# Altium PCB PCB3.PcbDoc (part 3 of 9)
Units mm, origin at the board's own origin, x right, y up, seen from the top; angles counter-clockwise.
Board outline 233.8 x 110.5 mm, 4 copper layers (Top Layer, Layer 1, Layer 2, Bottom Layer), stack 0.603 mm thick; 1414 components, 1732 nets, 4924 pads, 691 vias.
Unrouted connection lines stored in the file: 2464.
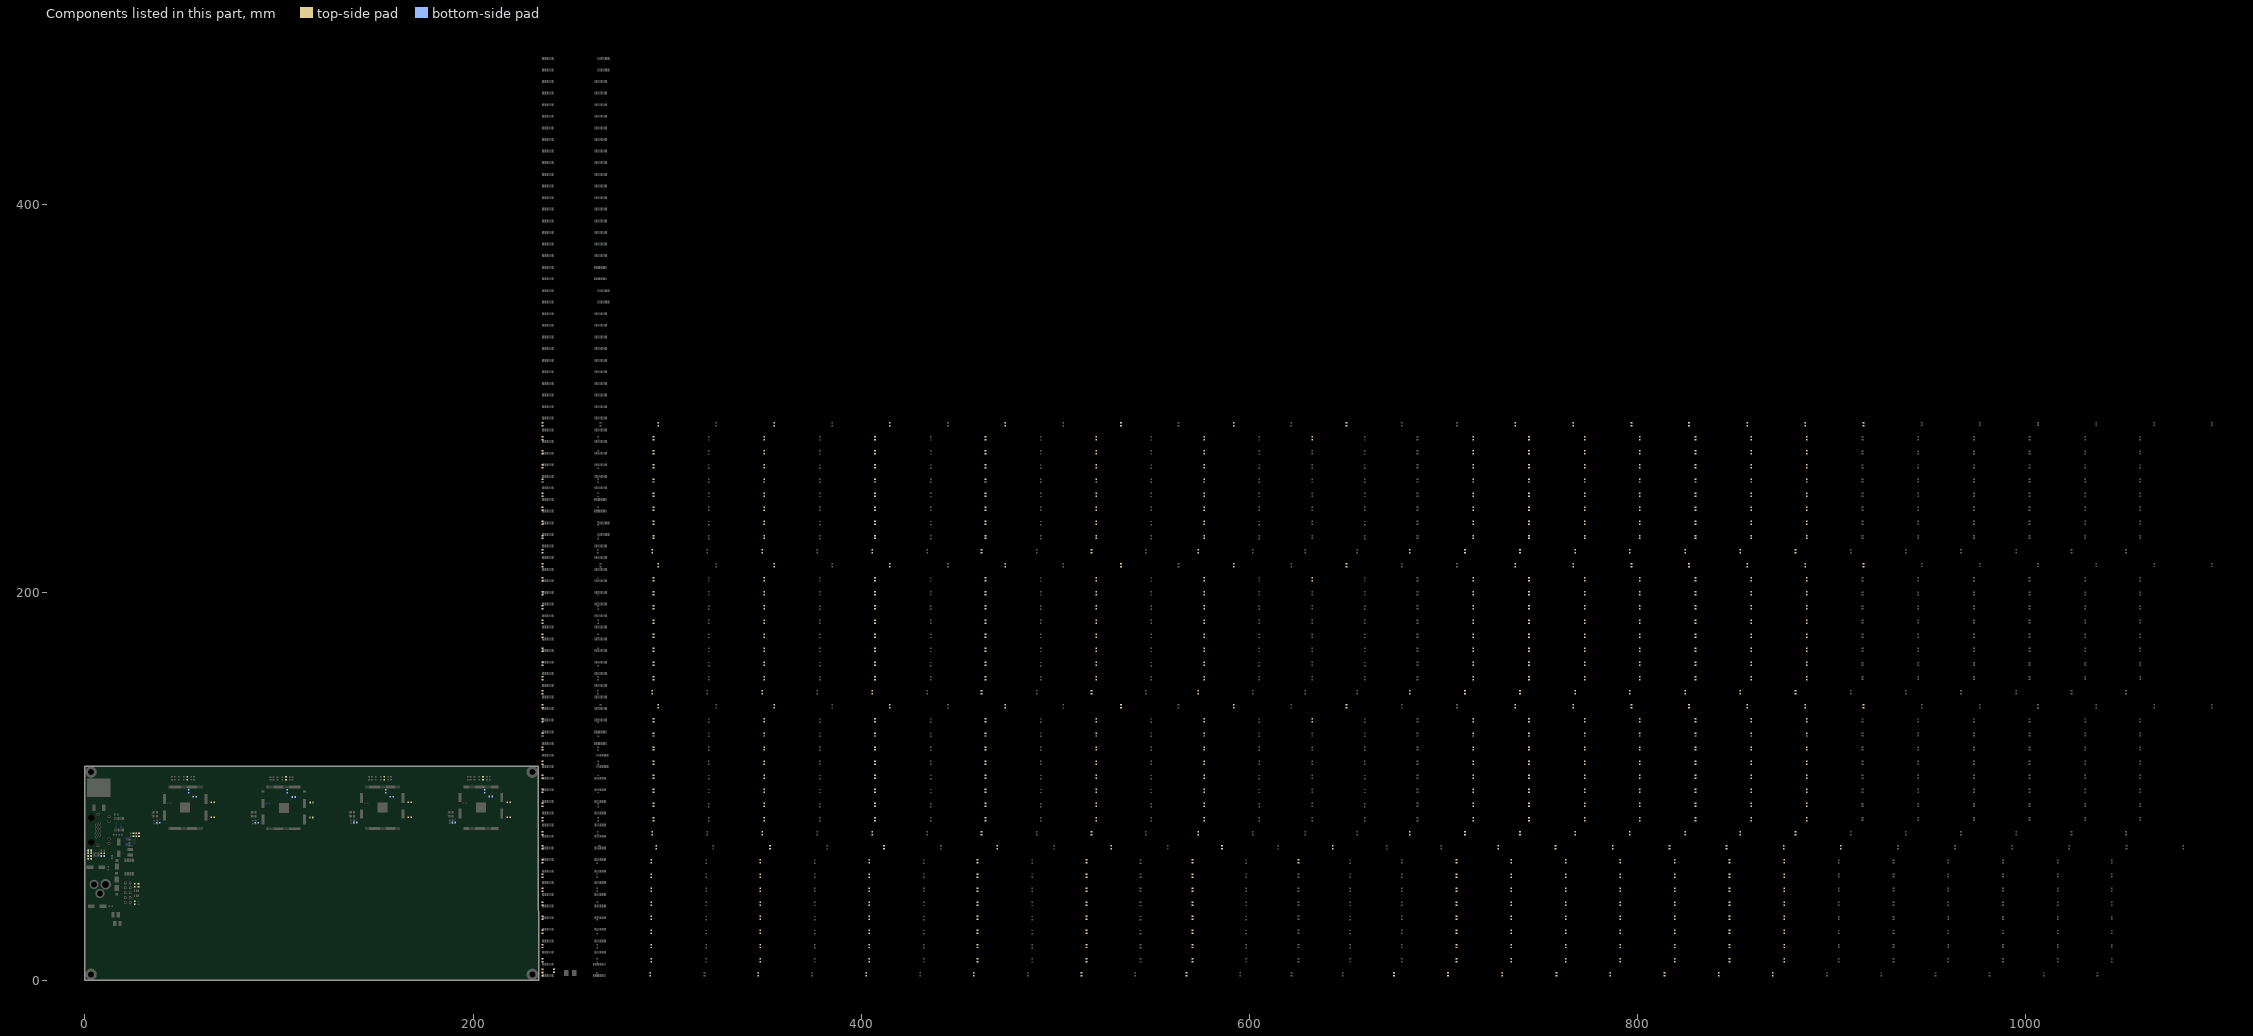
[diagram p5: the components of this part, seen from the top]

## Components (designator, comment, footprint, x,y, rotation, side; value= is the part's Value field where it differs from the comment) (continued)
R9_U_LED_BUFFER91 "330R" 0603R 625.398,61.35 r90 top (schematic designator R9)
R9_U_LED_BUFFER92 "330R" 0603R 632.498,134.049 r90 top (schematic designator R9)
R9_U_LED_BUFFER93 "330R" 0603R 632.498,206.749 r90 top (schematic designator R9)
R9_U_LED_BUFFER94 "330R" 0603R 632.498,279.449 r90 top (schematic designator R9)
R9_U_LED_BUFFER101 "330R" 0603R 643.098,68.65 r90 top (schematic designator R9)
R9_U_LED_BUFFER102 "330R" 0603R 650.198,141.349 r90 top (schematic designator R9)
R9_U_LED_BUFFER103 "330R" 0603R 650.198,214.049 r90 top (schematic designator R9)
R9_U_LED_BUFFER104 "330R" 0603R 650.198,286.749 r90 top (schematic designator R9)
R10 "10K" 0603R 25.612,40.098 r270 top
R11 "10K" 0603R 25.615,48.993 r90 top
R12 "1K" 0603R 27.632,49.028 r90 top
R13_IO1 "1K" 0603R 52.742,104.202 r90 top (schematic designator R13)
R13_IO2 "1K" 0603R 103.57,104.136 r90 top (schematic designator R13)
R13_IO3 "1K" 0603R 154.291,104.224 r90 top (schematic designator R13)
R13_IO4 "1K" 0603R 205.167,104.228 r90 top (schematic designator R13)
R14_IO1 "4.7K" 0603R 65.95,91.807 r180 top (schematic designator R14)
R14_IO2 "4.7K" 0603R 116.778,91.741 r180 top (schematic designator R14)
R14_IO3 "4.7K" 0603R 167.499,91.829 r180 top (schematic designator R14)
R14_IO4 "4.7K" 0603R 218.375,91.832 r180 top (schematic designator R14)
R15 "604K" 0603R 24.997,75.086 r270 top
R16 "20R" 0603R 26.397,75.086 r270 top
R17_U_LED_BUFFER11 "330R" 0603R 567.699,3.15 r90 top (schematic designator R17)
R17_U_LED_BUFFER12 "330R" 0603R 573.799,75.85 r90 top (schematic designator R17)
R17_U_LED_BUFFER13 "330R" 0603R 573.799,148.549 r90 top (schematic designator R17)
R17_U_LED_BUFFER14 "330R" 0603R 573.799,221.249 r90 top (schematic designator R17)
R17_U_LED_BUFFER21 "330R" 0603R 570.799,10.45 r90 top (schematic designator R17)
R17_U_LED_BUFFER22 "330R" 0603R 576.899,83.15 r90 top (schematic designator R17)
R17_U_LED_BUFFER23 "330R" 0603R 576.899,155.849 r90 top (schematic designator R17)
R17_U_LED_BUFFER24 "330R" 0603R 576.899,228.549 r90 top (schematic designator R17)
R17_U_LED_BUFFER31 "330R" 0603R 570.799,17.75 r90 top (schematic designator R17)
R17_U_LED_BUFFER32 "330R" 0603R 576.899,90.45 r90 top (schematic designator R17)
R17_U_LED_BUFFER33 "330R" 0603R 576.899,163.149 r90 top (schematic designator R17)
R17_U_LED_BUFFER34 "330R" 0603R 576.899,235.849 r90 top (schematic designator R17)
R17_U_LED_BUFFER41 "330R" 0603R 570.799,25.05 r90 top (schematic designator R17)
R17_U_LED_BUFFER42 "330R" 0603R 576.899,97.75 r90 top (schematic designator R17)
R17_U_LED_BUFFER43 "330R" 0603R 576.899,170.449 r90 top (schematic designator R17)
R17_U_LED_BUFFER44 "330R" 0603R 576.899,243.149 r90 top (schematic designator R17)
R17_U_LED_BUFFER51 "330R" 0603R 570.799,32.25 r90 top (schematic designator R17)
R17_U_LED_BUFFER52 "330R" 0603R 576.899,104.95 r90 top (schematic designator R17)
R17_U_LED_BUFFER53 "330R" 0603R 576.899,177.649 r90 top (schematic designator R17)
R17_U_LED_BUFFER54 "330R" 0603R 576.899,250.349 r90 top (schematic designator R17)
R17_U_LED_BUFFER61 "330R" 0603R 570.799,39.55 r90 top (schematic designator R17)
R17_U_LED_BUFFER62 "330R" 0603R 576.899,112.25 r90 top (schematic designator R17)
R17_U_LED_BUFFER63 "330R" 0603R 576.899,184.949 r90 top (schematic designator R17)
R17_U_LED_BUFFER64 "330R" 0603R 576.899,257.649 r90 top (schematic designator R17)
R17_U_LED_BUFFER71 "330R" 0603R 570.799,46.85 r90 top (schematic designator R17)
R17_U_LED_BUFFER72 "330R" 0603R 576.899,119.549 r90 top (schematic designator R17)
R17_U_LED_BUFFER73 "330R" 0603R 576.899,192.249 r90 top (schematic designator R17)
R17_U_LED_BUFFER74 "330R" 0603R 576.899,264.949 r90 top (schematic designator R17)
R17_U_LED_BUFFER81 "330R" 0603R 570.799,54.05 r90 top (schematic designator R17)
R17_U_LED_BUFFER82 "330R" 0603R 576.899,126.749 r90 top (schematic designator R17)
R17_U_LED_BUFFER83 "330R" 0603R 576.899,199.449 r90 top (schematic designator R17)
R17_U_LED_BUFFER84 "330R" 0603R 576.899,272.149 r90 top (schematic designator R17)
R17_U_LED_BUFFER91 "330R" 0603R 570.799,61.35 r90 top (schematic designator R17)
R17_U_LED_BUFFER92 "330R" 0603R 576.899,134.049 r90 top (schematic designator R17)
R17_U_LED_BUFFER93 "330R" 0603R 576.899,206.749 r90 top (schematic designator R17)
R17_U_LED_BUFFER94 "330R" 0603R 576.899,279.449 r90 top (schematic designator R17)
R17_U_LED_BUFFER101 "330R" 0603R 585.999,68.65 r90 top (schematic designator R17)
R17_U_LED_BUFFER102 "330R" 0603R 592.099,141.349 r90 top (schematic designator R17)
R17_U_LED_BUFFER103 "330R" 0603R 592.099,214.049 r90 top (schematic designator R17)
R17_U_LED_BUFFER104 "330R" 0603R 592.099,286.749 r90 top (schematic designator R17)
R18 "40.2K" 0603R 27.817,75.079 r270 top
R19_U_LED_BUFFER11 "330R" 0603R 513.599,3.15 r90 top (schematic designator R19)
R19_U_LED_BUFFER12 "330R" 0603R 518.699,75.85 r90 top (schematic designator R19)
R19_U_LED_BUFFER13 "330R" 0603R 518.699,148.549 r90 top (schematic designator R19)
R19_U_LED_BUFFER14 "330R" 0603R 518.699,221.249 r90 top (schematic designator R19)
R19_U_LED_BUFFER21 "330R" 0603R 516.199,10.45 r90 top (schematic designator R19)
R19_U_LED_BUFFER22 "330R" 0603R 521.199,83.15 r90 top (schematic designator R19)
R19_U_LED_BUFFER23 "330R" 0603R 521.199,155.849 r90 top (schematic designator R19)
R19_U_LED_BUFFER24 "330R" 0603R 521.199,228.549 r90 top (schematic designator R19)
R19_U_LED_BUFFER31 "330R" 0603R 516.199,17.75 r90 top (schematic designator R19)
R19_U_LED_BUFFER32 "330R" 0603R 521.199,90.45 r90 top (schematic designator R19)
R19_U_LED_BUFFER33 "330R" 0603R 521.199,163.149 r90 top (schematic designator R19)
R19_U_LED_BUFFER34 "330R" 0603R 521.199,235.849 r90 top (schematic designator R19)
R19_U_LED_BUFFER41 "330R" 0603R 516.199,25.05 r90 top (schematic designator R19)
R19_U_LED_BUFFER42 "330R" 0603R 521.199,97.75 r90 top (schematic designator R19)
R19_U_LED_BUFFER43 "330R" 0603R 521.199,170.449 r90 top (schematic designator R19)
R19_U_LED_BUFFER44 "330R" 0603R 521.199,243.149 r90 top (schematic designator R19)
R19_U_LED_BUFFER51 "330R" 0603R 516.199,32.25 r90 top (schematic designator R19)
R19_U_LED_BUFFER52 "330R" 0603R 521.199,104.95 r90 top (schematic designator R19)
R19_U_LED_BUFFER53 "330R" 0603R 521.199,177.649 r90 top (schematic designator R19)
R19_U_LED_BUFFER54 "330R" 0603R 521.199,250.349 r90 top (schematic designator R19)
R19_U_LED_BUFFER61 "330R" 0603R 516.199,39.55 r90 top (schematic designator R19)
R19_U_LED_BUFFER62 "330R" 0603R 521.199,112.25 r90 top (schematic designator R19)
R19_U_LED_BUFFER63 "330R" 0603R 521.199,184.949 r90 top (schematic designator R19)
R19_U_LED_BUFFER64 "330R" 0603R 521.199,257.649 r90 top (schematic designator R19)
R19_U_LED_BUFFER71 "330R" 0603R 516.199,46.85 r90 top (schematic designator R19)
R19_U_LED_BUFFER72 "330R" 0603R 521.199,119.549 r90 top (schematic designator R19)
R19_U_LED_BUFFER73 "330R" 0603R 521.199,192.249 r90 top (schematic designator R19)
R19_U_LED_BUFFER74 "330R" 0603R 521.199,264.949 r90 top (schematic designator R19)
R19_U_LED_BUFFER81 "330R" 0603R 516.199,54.05 r90 top (schematic designator R19)
R19_U_LED_BUFFER82 "330R" 0603R 521.199,126.749 r90 top (schematic designator R19)
R19_U_LED_BUFFER83 "330R" 0603R 521.199,199.449 r90 top (schematic designator R19)
R19_U_LED_BUFFER84 "330R" 0603R 521.199,272.149 r90 top (schematic designator R19)
R19_U_LED_BUFFER91 "330R" 0603R 516.199,61.35 r90 top (schematic designator R19)
R19_U_LED_BUFFER92 "330R" 0603R 521.199,134.049 r90 top (schematic designator R19)
R19_U_LED_BUFFER93 "330R" 0603R 521.199,206.749 r90 top (schematic designator R19)
R19_U_LED_BUFFER94 "330R" 0603R 521.199,279.449 r90 top (schematic designator R19)
R19_U_LED_BUFFER101 "330R" 0603R 528.899,68.65 r90 top (schematic designator R19)
R19_U_LED_BUFFER102 "330R" 0603R 533.899,141.349 r90 top (schematic designator R19)
R19_U_LED_BUFFER103 "330R" 0603R 533.899,214.049 r90 top (schematic designator R19)
R19_U_LED_BUFFER104 "330R" 0603R 533.899,286.749 r90 top (schematic designator R19)
R20_IO1 "4.7K" 0603R 65.925,84.111 r180 top (schematic designator R20)
R20_IO2 "4.7K" 0603R 116.753,84.045 r180 top (schematic designator R20)
R20_IO3 "4.7K" 0603R 167.474,84.132 r180 top (schematic designator R20)
R20_IO4 "4.7K" 0603R 218.35,84.136 r180 top (schematic designator R20)
R21_IO1 "220R" 0603R 37.705,81.342 r180 bottom (schematic designator R21)
R21_IO2 "220R" 0603R 88.533,81.276 r180 bottom (schematic designator R21)
R21_IO3 "220R" 0603R 139.254,81.364 r180 bottom (schematic designator R21)
R21_IO4 "220R" 0603R 190.131,81.368 r180 bottom (schematic designator R21)
R22_U_LED_BUFFER11 "330R" 0603R 457.999,3.15 r90 top (schematic designator R22)
R22_U_LED_BUFFER12 "330R" 0603R 462.099,75.85 r90 top (schematic designator R22)
R22_U_LED_BUFFER13 "330R" 0603R 462.099,148.549 r90 top (schematic designator R22)
R22_U_LED_BUFFER14 "330R" 0603R 462.099,221.249 r90 top (schematic designator R22)
R22_U_LED_BUFFER21 "330R" 0603R 459.999,10.45 r90 top (schematic designator R22)
R22_U_LED_BUFFER22 "330R" 0603R 464.099,83.15 r90 top (schematic designator R22)
R22_U_LED_BUFFER23 "330R" 0603R 464.099,155.849 r90 top (schematic designator R22)
R22_U_LED_BUFFER24 "330R" 0603R 464.099,228.549 r90 top (schematic designator R22)
R22_U_LED_BUFFER31 "330R" 0603R 459.999,17.75 r90 top (schematic designator R22)
R22_U_LED_BUFFER32 "330R" 0603R 464.099,90.45 r90 top (schematic designator R22)
R22_U_LED_BUFFER33 "330R" 0603R 464.099,163.149 r90 top (schematic designator R22)
R22_U_LED_BUFFER34 "330R" 0603R 464.099,235.849 r90 top (schematic designator R22)
R22_U_LED_BUFFER41 "330R" 0603R 459.999,25.05 r90 top (schematic designator R22)
R22_U_LED_BUFFER42 "330R" 0603R 464.099,97.75 r90 top (schematic designator R22)
R22_U_LED_BUFFER43 "330R" 0603R 464.099,170.449 r90 top (schematic designator R22)
R22_U_LED_BUFFER44 "330R" 0603R 464.099,243.149 r90 top (schematic designator R22)
R22_U_LED_BUFFER51 "330R" 0603R 459.999,32.25 r90 top (schematic designator R22)
R22_U_LED_BUFFER52 "330R" 0603R 464.099,104.95 r90 top (schematic designator R22)
R22_U_LED_BUFFER53 "330R" 0603R 464.099,177.649 r90 top (schematic designator R22)
R22_U_LED_BUFFER54 "330R" 0603R 464.099,250.349 r90 top (schematic designator R22)
R22_U_LED_BUFFER61 "330R" 0603R 459.999,39.55 r90 top (schematic designator R22)
R22_U_LED_BUFFER62 "330R" 0603R 464.099,112.25 r90 top (schematic designator R22)
R22_U_LED_BUFFER63 "330R" 0603R 464.099,184.949 r90 top (schematic designator R22)
R22_U_LED_BUFFER64 "330R" 0603R 464.099,257.649 r90 top (schematic designator R22)
R22_U_LED_BUFFER71 "330R" 0603R 459.999,46.85 r90 top (schematic designator R22)
R22_U_LED_BUFFER72 "330R" 0603R 464.099,119.549 r90 top (schematic designator R22)
R22_U_LED_BUFFER73 "330R" 0603R 464.099,192.249 r90 top (schematic designator R22)
R22_U_LED_BUFFER74 "330R" 0603R 464.099,264.949 r90 top (schematic designator R22)
R22_U_LED_BUFFER81 "330R" 0603R 459.999,54.05 r90 top (schematic designator R22)
R22_U_LED_BUFFER82 "330R" 0603R 464.099,126.749 r90 top (schematic designator R22)
R22_U_LED_BUFFER83 "330R" 0603R 464.099,199.449 r90 top (schematic designator R22)
R22_U_LED_BUFFER84 "330R" 0603R 464.099,272.149 r90 top (schematic designator R22)
R22_U_LED_BUFFER91 "330R" 0603R 459.999,61.35 r90 top (schematic designator R22)
R22_U_LED_BUFFER92 "330R" 0603R 464.099,134.049 r90 top (schematic designator R22)
R22_U_LED_BUFFER93 "330R" 0603R 464.099,206.749 r90 top (schematic designator R22)
R22_U_LED_BUFFER94 "330R" 0603R 464.099,279.449 r90 top (schematic designator R22)
R22_U_LED_BUFFER101 "330R" 0603R 470.199,68.65 r90 top (schematic designator R22)
R22_U_LED_BUFFER102 "330R" 0603R 474.299,141.349 r90 top (schematic designator R22)
R22_U_LED_BUFFER103 "330R" 0603R 474.299,214.049 r90 top (schematic designator R22)
R22_U_LED_BUFFER104 "330R" 0603R 474.299,286.749 r90 top (schematic designator R22)
R23 "10K" 0603R 53.512,97.471 r90 bottom
R24 "10K" 0603R 56.649,94.705 r0 bottom
R25 "10K" 0603R 104.279,97.405 r90 bottom
R26_U_LED_BUFFER11 "330R" 0603R 402.699,3.15 r90 top (schematic designator R26)
R26_U_LED_BUFFER12 "330R" 0603R 405.699,75.85 r90 top (schematic designator R26)
R26_U_LED_BUFFER13 "330R" 0603R 405.699,148.549 r90 top (schematic designator R26)
R26_U_LED_BUFFER14 "330R" 0603R 405.699,221.249 r90 top (schematic designator R26)
R26_U_LED_BUFFER21 "330R" 0603R 404.199,10.45 r90 top (schematic designator R26)
R26_U_LED_BUFFER22 "330R" 0603R 407.199,83.15 r90 top (schematic designator R26)
R26_U_LED_BUFFER23 "330R" 0603R 407.199,155.849 r90 top (schematic designator R26)
R26_U_LED_BUFFER24 "330R" 0603R 407.199,228.549 r90 top (schematic designator R26)
R26_U_LED_BUFFER31 "330R" 0603R 404.199,17.75 r90 top (schematic designator R26)
R26_U_LED_BUFFER32 "330R" 0603R 407.199,90.45 r90 top (schematic designator R26)
R26_U_LED_BUFFER33 "330R" 0603R 407.199,163.149 r90 top (schematic designator R26)
R26_U_LED_BUFFER34 "330R" 0603R 407.199,235.849 r90 top (schematic designator R26)
R26_U_LED_BUFFER41 "330R" 0603R 404.199,25.05 r90 top (schematic designator R26)
R26_U_LED_BUFFER42 "330R" 0603R 407.199,97.75 r90 top (schematic designator R26)
R26_U_LED_BUFFER43 "330R" 0603R 407.199,170.449 r90 top (schematic designator R26)
R26_U_LED_BUFFER44 "330R" 0603R 407.199,243.149 r90 top (schematic designator R26)
R26_U_LED_BUFFER51 "330R" 0603R 404.199,32.25 r90 top (schematic designator R26)
R26_U_LED_BUFFER52 "330R" 0603R 407.199,104.95 r90 top (schematic designator R26)
R26_U_LED_BUFFER53 "330R" 0603R 407.199,177.649 r90 top (schematic designator R26)
R26_U_LED_BUFFER54 "330R" 0603R 407.199,250.349 r90 top (schematic designator R26)
R26_U_LED_BUFFER61 "330R" 0603R 404.199,39.55 r90 top (schematic designator R26)
R26_U_LED_BUFFER62 "330R" 0603R 407.199,112.25 r90 top (schematic designator R26)
R26_U_LED_BUFFER63 "330R" 0603R 407.199,184.949 r90 top (schematic designator R26)
R26_U_LED_BUFFER64 "330R" 0603R 407.199,257.649 r90 top (schematic designator R26)
R26_U_LED_BUFFER71 "330R" 0603R 404.199,46.85 r90 top (schematic designator R26)
R26_U_LED_BUFFER72 "330R" 0603R 407.199,119.549 r90 top (schematic designator R26)
R26_U_LED_BUFFER73 "330R" 0603R 407.199,192.249 r90 top (schematic designator R26)
R26_U_LED_BUFFER74 "330R" 0603R 407.199,264.949 r90 top (schematic designator R26)
R26_U_LED_BUFFER81 "330R" 0603R 404.199,54.05 r90 top (schematic designator R26)
R26_U_LED_BUFFER82 "330R" 0603R 407.199,126.749 r90 top (schematic designator R26)
R26_U_LED_BUFFER83 "330R" 0603R 407.199,199.449 r90 top (schematic designator R26)
R26_U_LED_BUFFER84 "330R" 0603R 407.199,272.149 r90 top (schematic designator R26)
R26_U_LED_BUFFER91 "330R" 0603R 404.199,61.35 r90 top (schematic designator R26)
R26_U_LED_BUFFER92 "330R" 0603R 407.199,134.049 r90 top (schematic designator R26)
R26_U_LED_BUFFER93 "330R" 0603R 407.199,206.749 r90 top (schematic designator R26)
R26_U_LED_BUFFER94 "330R" 0603R 407.199,279.449 r90 top (schematic designator R26)
R26_U_LED_BUFFER101 "330R" 0603R 411.799,68.65 r90 top (schematic designator R26)
R26_U_LED_BUFFER102 "330R" 0603R 414.799,141.349 r90 top (schematic designator R26)
R26_U_LED_BUFFER103 "330R" 0603R 414.799,214.049 r90 top (schematic designator R26)
R26_U_LED_BUFFER104 "330R" 0603R 414.799,286.749 r90 top (schematic designator R26)
R27_U_LED_BUFFER11 "330R" 0603R 346.999,3.15 r90 top (schematic designator R27)
R27_U_LED_BUFFER12 "330R" 0603R 349.099,75.85 r90 top (schematic designator R27)
R27_U_LED_BUFFER13 "330R" 0603R 349.099,148.549 r90 top (schematic designator R27)
R27_U_LED_BUFFER14 "330R" 0603R 349.099,221.249 r90 top (schematic designator R27)
R27_U_LED_BUFFER21 "330R" 0603R 348.099,10.45 r90 top (schematic designator R27)
R27_U_LED_BUFFER22 "330R" 0603R 350.099,83.15 r90 top (schematic designator R27)
R27_U_LED_BUFFER23 "330R" 0603R 350.099,155.849 r90 top (schematic designator R27)
R27_U_LED_BUFFER24 "330R" 0603R 350.099,228.549 r90 top (schematic designator R27)
R27_U_LED_BUFFER31 "330R" 0603R 348.099,17.75 r90 top (schematic designator R27)
R27_U_LED_BUFFER32 "330R" 0603R 350.099,90.45 r90 top (schematic designator R27)
R27_U_LED_BUFFER33 "330R" 0603R 350.099,163.149 r90 top (schematic designator R27)
R27_U_LED_BUFFER34 "330R" 0603R 350.099,235.849 r90 top (schematic designator R27)
R27_U_LED_BUFFER41 "330R" 0603R 348.099,25.05 r90 top (schematic designator R27)
R27_U_LED_BUFFER42 "330R" 0603R 350.099,97.75 r90 top (schematic designator R27)
R27_U_LED_BUFFER43 "330R" 0603R 350.099,170.449 r90 top (schematic designator R27)
R27_U_LED_BUFFER44 "330R" 0603R 350.099,243.149 r90 top (schematic designator R27)
R27_U_LED_BUFFER51 "330R" 0603R 348.099,32.25 r90 top (schematic designator R27)
R27_U_LED_BUFFER52 "330R" 0603R 350.099,104.95 r90 top (schematic designator R27)
R27_U_LED_BUFFER53 "330R" 0603R 350.099,177.649 r90 top (schematic designator R27)
R27_U_LED_BUFFER54 "330R" 0603R 350.099,250.349 r90 top (schematic designator R27)
R27_U_LED_BUFFER61 "330R" 0603R 348.099,39.55 r90 top (schematic designator R27)
R27_U_LED_BUFFER62 "330R" 0603R 350.099,112.25 r90 top (schematic designator R27)
R27_U_LED_BUFFER63 "330R" 0603R 350.099,184.949 r90 top (schematic designator R27)
R27_U_LED_BUFFER64 "330R" 0603R 350.099,257.649 r90 top (schematic designator R27)
R27_U_LED_BUFFER71 "330R" 0603R 348.099,46.85 r90 top (schematic designator R27)
R27_U_LED_BUFFER72 "330R" 0603R 350.099,119.549 r90 top (schematic designator R27)
R27_U_LED_BUFFER73 "330R" 0603R 350.099,192.249 r90 top (schematic designator R27)
R27_U_LED_BUFFER74 "330R" 0603R 350.099,264.949 r90 top (schematic designator R27)
R27_U_LED_BUFFER81 "330R" 0603R 348.099,54.05 r90 top (schematic designator R27)
R27_U_LED_BUFFER82 "330R" 0603R 350.099,126.749 r90 top (schematic designator R27)
R27_U_LED_BUFFER83 "330R" 0603R 350.099,199.449 r90 top (schematic designator R27)
R27_U_LED_BUFFER84 "330R" 0603R 350.099,272.149 r90 top (schematic designator R27)
R27_U_LED_BUFFER91 "330R" 0603R 348.099,61.35 r90 top (schematic designator R27)
R27_U_LED_BUFFER92 "330R" 0603R 350.099,134.049 r90 top (schematic designator R27)
R27_U_LED_BUFFER93 "330R" 0603R 350.099,206.749 r90 top (schematic designator R27)
R27_U_LED_BUFFER94 "330R" 0603R 350.099,279.449 r90 top (schematic designator R27)
R27_U_LED_BUFFER101 "330R" 0603R 353.099,68.65 r90 top (schematic designator R27)
R27_U_LED_BUFFER102 "330R" 0603R 355.199,141.349 r90 top (schematic designator R27)
R27_U_LED_BUFFER103 "330R" 0603R 355.199,214.049 r90 top (schematic designator R27)
R27_U_LED_BUFFER104 "330R" 0603R 355.199,286.749 r90 top (schematic designator R27)
R28 "10K" 0603R 241.699,4.95 r90 top
R29 "7.68K" 0603R 235.799,4.95 r90 top
R30 "10K" 0603R 107.565,94.606 r180 bottom
R31 "10K" 0603R 155.005,97.493 r270 bottom
R32 "10K" 0603R 158.188,94.72 r0 bottom
R33 "10K" 0603R 206.097,97.497 r270 bottom
R34 "10K" 0603R 209.077,94.779 r180 bottom
R35 "13K" 0603R 2.586,64.157 r180 top
R36 "40.2K" 0603R 2.586,62.746 r0 top
R37 "2K" 0603R 9.185,64.171 r180 bottom
R38 "1K" 0603R 2.586,64.157 r180 bottom
R39 "13K" 0603R 2.586,62.746 r0 bottom
R40 "20K" 0603R 9.185,65.567 r180 top
R41 "13K" 0603R 2.586,65.567 r180 top
R42 "40.2K" 0603R 2.586,66.978 r0 top
R43 "1K" 0603R 2.586,65.567 r180 bottom
R44 "10K" 0603R 2.586,66.978 r0 bottom
R45_U_LED_BUFFER11 "330R" 0603R 291.399,3.15 r90 top (schematic designator R45)
R45_U_LED_BUFFER12 "330R" 0603R 292.399,75.85 r90 top (schematic designator R45)
R45_U_LED_BUFFER13 "330R" 0603R 292.399,148.549 r90 top (schematic designator R45)
R45_U_LED_BUFFER14 "330R" 0603R 292.399,221.249 r90 top (schematic designator R45)
R45_U_LED_BUFFER21 "330R" 0603R 291.899,10.45 r90 top (schematic designator R45)
R45_U_LED_BUFFER22 "330R" 0603R 292.999,83.15 r90 top (schematic designator R45)
R45_U_LED_BUFFER23 "330R" 0603R 292.999,155.849 r90 top (schematic designator R45)
R45_U_LED_BUFFER24 "330R" 0603R 292.999,228.549 r90 top (schematic designator R45)
R45_U_LED_BUFFER31 "330R" 0603R 291.899,17.75 r90 top (schematic designator R45)
R45_U_LED_BUFFER32 "330R" 0603R 292.999,90.45 r90 top (schematic designator R45)
R45_U_LED_BUFFER33 "330R" 0603R 292.999,163.149 r90 top (schematic designator R45)
R45_U_LED_BUFFER34 "330R" 0603R 292.999,235.849 r90 top (schematic designator R45)
R45_U_LED_BUFFER41 "330R" 0603R 291.899,25.05 r90 top (schematic designator R45)
R45_U_LED_BUFFER42 "330R" 0603R 292.999,97.75 r90 top (schematic designator R45)
R45_U_LED_BUFFER43 "330R" 0603R 292.999,170.449 r90 top (schematic designator R45)
R45_U_LED_BUFFER44 "330R" 0603R 292.999,243.149 r90 top (schematic designator R45)
R45_U_LED_BUFFER51 "330R" 0603R 291.899,32.25 r90 top (schematic designator R45)
R45_U_LED_BUFFER52 "330R" 0603R 292.999,104.95 r90 top (schematic designator R45)
R45_U_LED_BUFFER53 "330R" 0603R 292.999,177.649 r90 top (schematic designator R45)
R45_U_LED_BUFFER54 "330R" 0603R 292.999,250.349 r90 top (schematic designator R45)
R45_U_LED_BUFFER61 "330R" 0603R 291.899,39.55 r90 top (schematic designator R45)
R45_U_LED_BUFFER62 "330R" 0603R 292.999,112.25 r90 top (schematic designator R45)
R45_U_LED_BUFFER63 "330R" 0603R 292.999,184.949 r90 top (schematic designator R45)
R45_U_LED_BUFFER64 "330R" 0603R 292.999,257.649 r90 top (schematic designator R45)
R45_U_LED_BUFFER71 "330R" 0603R 291.899,46.85 r90 top (schematic designator R45)
R45_U_LED_BUFFER72 "330R" 0603R 292.999,119.549 r90 top (schematic designator R45)
R45_U_LED_BUFFER73 "330R" 0603R 292.999,192.249 r90 top (schematic designator R45)
R45_U_LED_BUFFER74 "330R" 0603R 292.999,264.949 r90 top (schematic designator R45)
R45_U_LED_BUFFER81 "330R" 0603R 291.899,54.05 r90 top (schematic designator R45)
R45_U_LED_BUFFER82 "330R" 0603R 292.999,126.749 r90 top (schematic designator R45)
R45_U_LED_BUFFER83 "330R" 0603R 292.999,199.449 r90 top (schematic designator R45)
R45_U_LED_BUFFER84 "330R" 0603R 292.999,272.149 r90 top (schematic designator R45)
R45_U_LED_BUFFER91 "330R" 0603R 291.899,61.35 r90 top (schematic designator R45)
R45_U_LED_BUFFER92 "330R" 0603R 292.999,134.049 r90 top (schematic designator R45)
R45_U_LED_BUFFER93 "330R" 0603R 292.999,206.749 r90 top (schematic designator R45)
R45_U_LED_BUFFER94 "330R" 0603R 292.999,279.449 r90 top (schematic designator R45)
R45_U_LED_BUFFER101 "330R" 0603R 294.499,68.65 r90 top (schematic designator R45)
R45_U_LED_BUFFER102 "330R" 0603R 295.499,141.349 r90 top (schematic designator R45)
R45_U_LED_BUFFER103 "330R" 0603R 295.499,214.049 r90 top (schematic designator R45)
R45_U_LED_BUFFER104 "330R" 0603R 295.499,286.749 r90 top (schematic designator R45)
R46_U_LED_BUFFER11 "330R" 0603R 235.799,3.15 r90 top (schematic designator R46)
R46_U_LED_BUFFER12 "330R" 0603R 235.799,75.85 r90 top (schematic designator R46)
R46_U_LED_BUFFER13 "330R" 0603R 235.799,148.549 r90 top (schematic designator R46)
R46_U_LED_BUFFER14 "330R" 0603R 235.799,221.249 r90 top (schematic designator R46)
R46_U_LED_BUFFER21 "330R" 0603R 235.799,10.45 r90 top (schematic designator R46)
R46_U_LED_BUFFER22 "330R" 0603R 235.799,83.15 r90 top (schematic designator R46)
R46_U_LED_BUFFER23 "330R" 0603R 235.799,155.849 r90 top (schematic designator R46)
R46_U_LED_BUFFER24 "330R" 0603R 235.799,228.549 r90 top (schematic designator R46)
R46_U_LED_BUFFER31 "330R" 0603R 235.799,17.75 r90 top (schematic designator R46)
R46_U_LED_BUFFER32 "330R" 0603R 235.799,90.45 r90 top (schematic designator R46)
R46_U_LED_BUFFER33 "330R" 0603R 235.799,163.149 r90 top (schematic designator R46)
R46_U_LED_BUFFER34 "330R" 0603R 235.799,235.849 r90 top (schematic designator R46)
R46_U_LED_BUFFER41 "330R" 0603R 235.799,25.05 r90 top (schematic designator R46)
R46_U_LED_BUFFER42 "330R" 0603R 235.799,97.75 r90 top (schematic designator R46)
R46_U_LED_BUFFER43 "330R" 0603R 235.799,170.449 r90 top (schematic designator R46)
R46_U_LED_BUFFER44 "330R" 0603R 235.799,243.149 r90 top (schematic designator R46)
R46_U_LED_BUFFER51 "330R" 0603R 235.799,32.25 r90 top (schematic designator R46)
R46_U_LED_BUFFER52 "330R" 0603R 235.799,104.95 r90 top (schematic designator R46)
R46_U_LED_BUFFER53 "330R" 0603R 235.799,177.649 r90 top (schematic designator R46)
R46_U_LED_BUFFER54 "330R" 0603R 235.799,250.349 r90 top (schematic designator R46)
R46_U_LED_BUFFER61 "330R" 0603R 235.799,39.55 r90 top (schematic designator R46)
R46_U_LED_BUFFER62 "330R" 0603R 235.799,112.25 r90 top (schematic designator R46)
R46_U_LED_BUFFER63 "330R" 0603R 235.799,184.949 r90 top (schematic designator R46)
R46_U_LED_BUFFER64 "330R" 0603R 235.799,257.649 r90 top (schematic designator R46)
R46_U_LED_BUFFER71 "330R" 0603R 235.799,46.85 r90 top (schematic designator R46)
R46_U_LED_BUFFER72 "330R" 0603R 235.799,119.549 r90 top (schematic designator R46)
R46_U_LED_BUFFER73 "330R" 0603R 235.799,192.249 r90 top (schematic designator R46)
R46_U_LED_BUFFER74 "330R" 0603R 235.799,264.949 r90 top (schematic designator R46)
R46_U_LED_BUFFER81 "330R" 0603R 235.799,54.05 r90 top (schematic designator R46)
R46_U_LED_BUFFER82 "330R" 0603R 235.799,126.749 r90 top (schematic designator R46)
R46_U_LED_BUFFER83 "330R" 0603R 235.799,199.449 r90 top (schematic designator R46)
R46_U_LED_BUFFER84 "330R" 0603R 235.799,272.149 r90 top (schematic designator R46)
R46_U_LED_BUFFER91 "330R" 0603R 235.799,61.35 r90 top (schematic designator R46)
R46_U_LED_BUFFER92 "330R" 0603R 235.799,134.049 r90 top (schematic designator R46)
R46_U_LED_BUFFER93 "330R" 0603R 235.799,206.749 r90 top (schematic designator R46)
R46_U_LED_BUFFER94 "330R" 0603R 235.799,279.449 r90 top (schematic designator R46)
R46_U_LED_BUFFER101 "330R" 0603R 235.799,68.65 r90 top (schematic designator R46)
R46_U_LED_BUFFER102 "330R" 0603R 235.799,141.349 r90 top (schematic designator R46)
R46_U_LED_BUFFER103 "330R" 0603R 235.799,214.049 r90 top (schematic designator R46)
R46_U_LED_BUFFER104 "330R" 0603R 235.799,286.749 r90 top (schematic designator R46)
R47_U_LED_BUFFER11 "33R" 0603R 869.898,3.15 r90 top (schematic designator R47)
R47_U_LED_BUFFER12 "33R" 0603R 881.598,75.85 r90 top (schematic designator R47)
R47_U_LED_BUFFER13 "33R" 0603R 881.598,148.549 r90 top (schematic designator R47)
R47_U_LED_BUFFER14 "33R" 0603R 881.598,221.249 r90 top (schematic designator R47)
R47_U_LED_BUFFER21 "33R" 0603R 875.698,10.45 r90 top (schematic designator R47)
R47_U_LED_BUFFER22 "33R" 0603R 887.398,83.15 r90 top (schematic designator R47)
R47_U_LED_BUFFER23 "33R" 0603R 887.398,155.849 r90 top (schematic designator R47)
R47_U_LED_BUFFER24 "33R" 0603R 887.398,228.549 r90 top (schematic designator R47)
R47_U_LED_BUFFER31 "33R" 0603R 875.698,17.75 r90 top (schematic designator R47)
R47_U_LED_BUFFER32 "33R" 0603R 887.398,90.45 r90 top (schematic designator R47)
R47_U_LED_BUFFER33 "33R" 0603R 887.398,163.149 r90 top (schematic designator R47)
R47_U_LED_BUFFER34 "33R" 0603R 887.398,235.849 r90 top (schematic designator R47)
R47_U_LED_BUFFER41 "33R" 0603R 875.698,25.05 r90 top (schematic designator R47)
R47_U_LED_BUFFER42 "33R" 0603R 887.398,97.75 r90 top (schematic designator R47)
R47_U_LED_BUFFER43 "33R" 0603R 887.398,170.449 r90 top (schematic designator R47)
R47_U_LED_BUFFER44 "33R" 0603R 887.398,243.149 r90 top (schematic designator R47)
R47_U_LED_BUFFER51 "33R" 0603R 875.698,32.25 r90 top (schematic designator R47)
R47_U_LED_BUFFER52 "33R" 0603R 887.398,104.95 r90 top (schematic designator R47)
R47_U_LED_BUFFER53 "33R" 0603R 887.398,177.649 r90 top (schematic designator R47)
R47_U_LED_BUFFER54 "33R" 0603R 887.398,250.349 r90 top (schematic designator R47)
R47_U_LED_BUFFER61 "33R" 0603R 875.698,39.55 r90 top (schematic designator R47)
R47_U_LED_BUFFER62 "33R" 0603R 887.398,112.25 r90 top (schematic designator R47)
R47_U_LED_BUFFER63 "33R" 0603R 887.398,184.949 r90 top (schematic designator R47)
R47_U_LED_BUFFER64 "33R" 0603R 887.398,257.649 r90 top (schematic designator R47)
R47_U_LED_BUFFER71 "33R" 0603R 875.698,46.85 r90 top (schematic designator R47)
R47_U_LED_BUFFER72 "33R" 0603R 887.398,119.549 r90 top (schematic designator R47)
R47_U_LED_BUFFER73 "33R" 0603R 887.398,192.249 r90 top (schematic designator R47)
R47_U_LED_BUFFER74 "33R" 0603R 887.398,264.949 r90 top (schematic designator R47)
R47_U_LED_BUFFER81 "33R" 0603R 875.698,54.05 r90 top (schematic designator R47)
R47_U_LED_BUFFER82 "33R" 0603R 887.398,126.749 r90 top (schematic designator R47)
R47_U_LED_BUFFER83 "33R" 0603R 887.398,199.449 r90 top (schematic designator R47)
R47_U_LED_BUFFER84 "33R" 0603R 887.398,272.149 r90 top (schematic designator R47)
R47_U_LED_BUFFER91 "33R" 0603R 875.698,61.35 r90 top (schematic designator R47)
R47_U_LED_BUFFER92 "33R" 0603R 887.398,134.049 r90 top (schematic designator R47)
R47_U_LED_BUFFER93 "33R" 0603R 887.398,206.749 r90 top (schematic designator R47)
R47_U_LED_BUFFER94 "33R" 0603R 887.398,279.449 r90 top (schematic designator R47)
R47_U_LED_BUFFER101 "33R" 0603R 904.898,68.65 r90 top (schematic designator R47)
R47_U_LED_BUFFER102 "33R" 0603R 916.598,141.349 r90 top (schematic designator R47)
R47_U_LED_BUFFER103 "33R" 0603R 916.598,214.049 r90 top (schematic designator R47)
R47_U_LED_BUFFER104 "33R" 0603R 916.598,286.749 r90 top (schematic designator R47)
R48_U_LED_BUFFER11 "33R" 0603R 841.998,3.15 r90 top (schematic designator R48)
R48_U_LED_BUFFER12 "33R" 0603R 853.098,75.85 r90 top (schematic designator R48)
R48_U_LED_BUFFER13 "33R" 0603R 853.098,148.549 r90 top (schematic designator R48)
R48_U_LED_BUFFER14 "33R" 0603R 853.098,221.249 r90 top (schematic designator R48)
R48_U_LED_BUFFER21 "33R" 0603R 847.498,10.45 r90 top (schematic designator R48)
R48_U_LED_BUFFER22 "33R" 0603R 858.698,83.15 r90 top (schematic designator R48)
R48_U_LED_BUFFER23 "33R" 0603R 858.698,155.849 r90 top (schematic designator R48)
R48_U_LED_BUFFER24 "33R" 0603R 858.698,228.549 r90 top (schematic designator R48)
R48_U_LED_BUFFER31 "33R" 0603R 847.498,17.75 r90 top (schematic designator R48)
R48_U_LED_BUFFER32 "33R" 0603R 858.698,90.45 r90 top (schematic designator R48)
R48_U_LED_BUFFER33 "33R" 0603R 858.698,163.149 r90 top (schematic designator R48)
R48_U_LED_BUFFER34 "33R" 0603R 858.698,235.849 r90 top (schematic designator R48)
R48_U_LED_BUFFER41 "33R" 0603R 847.498,25.05 r90 top (schematic designator R48)
R48_U_LED_BUFFER42 "33R" 0603R 858.698,97.75 r90 top (schematic designator R48)
R48_U_LED_BUFFER43 "33R" 0603R 858.698,170.449 r90 top (schematic designator R48)
R48_U_LED_BUFFER44 "33R" 0603R 858.698,243.149 r90 top (schematic designator R48)
R48_U_LED_BUFFER51 "33R" 0603R 847.498,32.25 r90 top (schematic designator R48)
R48_U_LED_BUFFER52 "33R" 0603R 858.698,104.95 r90 top (schematic designator R48)
R48_U_LED_BUFFER53 "33R" 0603R 858.698,177.649 r90 top (schematic designator R48)
R48_U_LED_BUFFER54 "33R" 0603R 858.698,250.349 r90 top (schematic designator R48)
R48_U_LED_BUFFER61 "33R" 0603R 847.498,39.55 r90 top (schematic designator R48)
R48_U_LED_BUFFER62 "33R" 0603R 858.698,112.25 r90 top (schematic designator R48)
R48_U_LED_BUFFER63 "33R" 0603R 858.698,184.949 r90 top (schematic designator R48)
R48_U_LED_BUFFER64 "33R" 0603R 858.698,257.649 r90 top (schematic designator R48)
R48_U_LED_BUFFER71 "33R" 0603R 847.498,46.85 r90 top (schematic designator R48)
R48_U_LED_BUFFER72 "33R" 0603R 858.698,119.549 r90 top (schematic designator R48)
R48_U_LED_BUFFER73 "33R" 0603R 858.698,192.249 r90 top (schematic designator R48)
R48_U_LED_BUFFER74 "33R" 0603R 858.698,264.949 r90 top (schematic designator R48)
R48_U_LED_BUFFER81 "33R" 0603R 847.498,54.05 r90 top (schematic designator R48)
R48_U_LED_BUFFER82 "33R" 0603R 858.698,126.749 r90 top (schematic designator R48)
R48_U_LED_BUFFER83 "33R" 0603R 858.698,199.449 r90 top (schematic designator R48)
R48_U_LED_BUFFER84 "33R" 0603R 858.698,272.149 r90 top (schematic designator R48)
R48_U_LED_BUFFER91 "33R" 0603R 847.498,61.35 r90 top (schematic designator R48)
R48_U_LED_BUFFER92 "33R" 0603R 858.698,134.049 r90 top (schematic designator R48)
R48_U_LED_BUFFER93 "33R" 0603R 858.698,206.749 r90 top (schematic designator R48)
R48_U_LED_BUFFER94 "33R" 0603R 858.698,279.449 r90 top (schematic designator R48)
R48_U_LED_BUFFER101 "33R" 0603R 875.498,68.65 r90 top (schematic designator R48)
R48_U_LED_BUFFER102 "33R" 0603R 886.598,141.349 r90 top (schematic designator R48)
R48_U_LED_BUFFER103 "33R" 0603R 886.598,214.049 r90 top (schematic designator R48)
R48_U_LED_BUFFER104 "33R" 0603R 886.598,286.749 r90 top (schematic designator R48)
R49_U_LED_BUFFER11 "33R" 0603R 813.998,3.15 r90 top (schematic designator R49)
R49_U_LED_BUFFER12 "33R" 0603R 824.698,75.85 r90 top (schematic designator R49)
R49_U_LED_BUFFER13 "33R" 0603R 824.698,148.549 r90 top (schematic designator R49)
R49_U_LED_BUFFER14 "33R" 0603R 824.698,221.249 r90 top (schematic designator R49)
R49_U_LED_BUFFER21 "33R" 0603R 819.398,10.45 r90 top (schematic designator R49)
R49_U_LED_BUFFER22 "33R" 0603R 829.998,83.15 r90 top (schematic designator R49)
R49_U_LED_BUFFER23 "33R" 0603R 829.998,155.849 r90 top (schematic designator R49)
R49_U_LED_BUFFER24 "33R" 0603R 829.998,228.549 r90 top (schematic designator R49)
R49_U_LED_BUFFER31 "33R" 0603R 819.398,17.75 r90 top (schematic designator R49)
R49_U_LED_BUFFER32 "33R" 0603R 829.998,90.45 r90 top (schematic designator R49)
R49_U_LED_BUFFER33 "33R" 0603R 829.998,163.149 r90 top (schematic designator R49)
R49_U_LED_BUFFER34 "33R" 0603R 829.998,235.849 r90 top (schematic designator R49)
R49_U_LED_BUFFER41 "33R" 0603R 819.398,25.05 r90 top (schematic designator R49)
R49_U_LED_BUFFER42 "33R" 0603R 829.998,97.75 r90 top (schematic designator R49)
R49_U_LED_BUFFER43 "33R" 0603R 829.998,170.449 r90 top (schematic designator R49)
R49_U_LED_BUFFER44 "33R" 0603R 829.998,243.149 r90 top (schematic designator R49)
R49_U_LED_BUFFER51 "33R" 0603R 819.398,32.25 r90 top (schematic designator R49)
R49_U_LED_BUFFER52 "33R" 0603R 829.998,104.95 r90 top (schematic designator R49)
R49_U_LED_BUFFER53 "33R" 0603R 829.998,177.649 r90 top (schematic designator R49)
R49_U_LED_BUFFER54 "33R" 0603R 829.998,250.349 r90 top (schematic designator R49)
R49_U_LED_BUFFER61 "33R" 0603R 819.398,39.55 r90 top (schematic designator R49)
R49_U_LED_BUFFER62 "33R" 0603R 829.998,112.25 r90 top (schematic designator R49)
R49_U_LED_BUFFER63 "33R" 0603R 829.998,184.949 r90 top (schematic designator R49)
R49_U_LED_BUFFER64 "33R" 0603R 829.998,257.649 r90 top (schematic designator R49)
R49_U_LED_BUFFER71 "33R" 0603R 819.398,46.85 r90 top (schematic designator R49)
R49_U_LED_BUFFER72 "33R" 0603R 829.998,119.549 r90 top (schematic designator R49)
R49_U_LED_BUFFER73 "33R" 0603R 829.998,192.249 r90 top (schematic designator R49)
R49_U_LED_BUFFER74 "33R" 0603R 829.998,264.949 r90 top (schematic designator R49)
R49_U_LED_BUFFER81 "33R" 0603R 819.398,54.05 r90 top (schematic designator R49)
R49_U_LED_BUFFER82 "33R" 0603R 829.998,126.749 r90 top (schematic designator R49)
R49_U_LED_BUFFER83 "33R" 0603R 829.998,199.449 r90 top (schematic designator R49)
R49_U_LED_BUFFER84 "33R" 0603R 829.998,272.149 r90 top (schematic designator R49)
R49_U_LED_BUFFER91 "33R" 0603R 819.398,61.35 r90 top (schematic designator R49)
R49_U_LED_BUFFER92 "33R" 0603R 829.998,134.049 r90 top (schematic designator R49)
R49_U_LED_BUFFER93 "33R" 0603R 829.998,206.749 r90 top (schematic designator R49)
R49_U_LED_BUFFER94 "33R" 0603R 829.998,279.449 r90 top (schematic designator R49)
R49_U_LED_BUFFER101 "33R" 0603R 845.998,68.65 r90 top (schematic designator R49)
R49_U_LED_BUFFER102 "33R" 0603R 856.698,141.349 r90 top (schematic designator R49)
R49_U_LED_BUFFER103 "33R" 0603R 856.698,214.049 r90 top (schematic designator R49)
R49_U_LED_BUFFER104 "33R" 0603R 856.698,286.749 r90 top (schematic designator R49)
R50_U_LED_BUFFER11 "33R" 0603R 786.098,3.15 r90 top (schematic designator R50)
R50_U_LED_BUFFER12 "33R" 0603R 796.198,75.85 r90 top (schematic designator R50)
R50_U_LED_BUFFER13 "33R" 0603R 796.198,148.549 r90 top (schematic designator R50)
R50_U_LED_BUFFER14 "33R" 0603R 796.198,221.249 r90 top (schematic designator R50)
R50_U_LED_BUFFER21 "33R" 0603R 791.198,10.45 r90 top (schematic designator R50)
R50_U_LED_BUFFER22 "33R" 0603R 801.298,83.15 r90 top (schematic designator R50)
R50_U_LED_BUFFER23 "33R" 0603R 801.298,155.849 r90 top (schematic designator R50)
R50_U_LED_BUFFER24 "33R" 0603R 801.298,228.549 r90 top (schematic designator R50)
R50_U_LED_BUFFER31 "33R" 0603R 791.198,17.75 r90 top (schematic designator R50)
R50_U_LED_BUFFER32 "33R" 0603R 801.298,90.45 r90 top (schematic designator R50)
R50_U_LED_BUFFER33 "33R" 0603R 801.298,163.149 r90 top (schematic designator R50)
R50_U_LED_BUFFER34 "33R" 0603R 801.298,235.849 r90 top (schematic designator R50)
R50_U_LED_BUFFER41 "33R" 0603R 791.198,25.05 r90 top (schematic designator R50)
R50_U_LED_BUFFER42 "33R" 0603R 801.298,97.75 r90 top (schematic designator R50)
R50_U_LED_BUFFER43 "33R" 0603R 801.298,170.449 r90 top (schematic designator R50)
R50_U_LED_BUFFER44 "33R" 0603R 801.298,243.149 r90 top (schematic designator R50)
R50_U_LED_BUFFER51 "33R" 0603R 791.198,32.25 r90 top (schematic designator R50)
R50_U_LED_BUFFER52 "33R" 0603R 801.298,104.95 r90 top (schematic designator R50)
R50_U_LED_BUFFER53 "33R" 0603R 801.298,177.649 r90 top (schematic designator R50)
R50_U_LED_BUFFER54 "33R" 0603R 801.298,250.349 r90 top (schematic designator R50)
R50_U_LED_BUFFER61 "33R" 0603R 791.198,39.55 r90 top (schematic designator R50)
R50_U_LED_BUFFER62 "33R" 0603R 801.298,112.25 r90 top (schematic designator R50)
R50_U_LED_BUFFER63 "33R" 0603R 801.298,184.949 r90 top (schematic designator R50)
R50_U_LED_BUFFER64 "33R" 0603R 801.298,257.649 r90 top (schematic designator R50)
R50_U_LED_BUFFER71 "33R" 0603R 791.198,46.85 r90 top (schematic designator R50)
R50_U_LED_BUFFER72 "33R" 0603R 801.298,119.549 r90 top (schematic designator R50)
R50_U_LED_BUFFER73 "33R" 0603R 801.298,192.249 r90 top (schematic designator R50)
R50_U_LED_BUFFER74 "33R" 0603R 801.298,264.949 r90 top (schematic designator R50)
R50_U_LED_BUFFER81 "33R" 0603R 791.198,54.05 r90 top (schematic designator R50)
R50_U_LED_BUFFER82 "33R" 0603R 801.298,126.749 r90 top (schematic designator R50)
R50_U_LED_BUFFER83 "33R" 0603R 801.298,199.449 r90 top (schematic designator R50)
R50_U_LED_BUFFER84 "33R" 0603R 801.298,272.149 r90 top (schematic designator R50)
R50_U_LED_BUFFER91 "33R" 0603R 791.198,61.35 r90 top (schematic designator R50)
R50_U_LED_BUFFER92 "33R" 0603R 801.298,134.049 r90 top (schematic designator R50)
R50_U_LED_BUFFER93 "33R" 0603R 801.298,206.749 r90 top (schematic designator R50)
R50_U_LED_BUFFER94 "33R" 0603R 801.298,279.449 r90 top (schematic designator R50)
R50_U_LED_BUFFER101 "33R" 0603R 816.598,68.65 r90 top (schematic designator R50)
R50_U_LED_BUFFER102 "33R" 0603R 826.698,141.349 r90 top (schematic designator R50)
R50_U_LED_BUFFER103 "33R" 0603R 826.698,214.049 r90 top (schematic designator R50)
R50_U_LED_BUFFER104 "33R" 0603R 826.698,286.749 r90 top (schematic designator R50)
R51_U_LED_BUFFER11 "33R" 0603R 758.398,3.15 r90 top (schematic designator R51)
R51_U_LED_BUFFER12 "33R" 0603R 768.098,75.85 r90 top (schematic designator R51)
R51_U_LED_BUFFER13 "33R" 0603R 768.098,148.549 r90 top (schematic designator R51)
R51_U_LED_BUFFER14 "33R" 0603R 768.098,221.249 r90 top (schematic designator R51)
R51_U_LED_BUFFER21 "33R" 0603R 763.198,10.45 r90 top (schematic designator R51)
R51_U_LED_BUFFER22 "33R" 0603R 772.898,83.15 r90 top (schematic designator R51)
R51_U_LED_BUFFER23 "33R" 0603R 772.898,155.849 r90 top (schematic designator R51)
R51_U_LED_BUFFER24 "33R" 0603R 772.898,228.549 r90 top (schematic designator R51)
R51_U_LED_BUFFER31 "33R" 0603R 763.198,17.75 r90 top (schematic designator R51)
R51_U_LED_BUFFER32 "33R" 0603R 772.898,90.45 r90 top (schematic designator R51)
R51_U_LED_BUFFER33 "33R" 0603R 772.898,163.149 r90 top (schematic designator R51)
R51_U_LED_BUFFER34 "33R" 0603R 772.898,235.849 r90 top (schematic designator R51)
R51_U_LED_BUFFER41 "33R" 0603R 763.198,25.05 r90 top (schematic designator R51)
R51_U_LED_BUFFER42 "33R" 0603R 772.898,97.75 r90 top (schematic designator R51)
R51_U_LED_BUFFER43 "33R" 0603R 772.898,170.449 r90 top (schematic designator R51)
R51_U_LED_BUFFER44 "33R" 0603R 772.898,243.149 r90 top (schematic designator R51)
R51_U_LED_BUFFER51 "33R" 0603R 763.198,32.25 r90 top (schematic designator R51)
R51_U_LED_BUFFER52 "33R" 0603R 772.898,104.95 r90 top (schematic designator R51)
R51_U_LED_BUFFER53 "33R" 0603R 772.898,177.649 r90 top (schematic designator R51)
R51_U_LED_BUFFER54 "33R" 0603R 772.898,250.349 r90 top (schematic designator R51)
R51_U_LED_BUFFER61 "33R" 0603R 763.198,39.55 r90 top (schematic designator R51)
R51_U_LED_BUFFER62 "33R" 0603R 772.898,112.25 r90 top (schematic designator R51)
R51_U_LED_BUFFER63 "33R" 0603R 772.898,184.949 r90 top (schematic designator R51)
R51_U_LED_BUFFER64 "33R" 0603R 772.898,257.649 r90 top (schematic designator R51)
R51_U_LED_BUFFER71 "33R" 0603R 763.198,46.85 r90 top (schematic designator R51)
R51_U_LED_BUFFER72 "33R" 0603R 772.898,119.549 r90 top (schematic designator R51)
R51_U_LED_BUFFER73 "33R" 0603R 772.898,192.249 r90 top (schematic designator R51)
R51_U_LED_BUFFER74 "33R" 0603R 772.898,264.949 r90 top (schematic designator R51)
R51_U_LED_BUFFER81 "33R" 0603R 763.198,54.05 r90 top (schematic designator R51)
R51_U_LED_BUFFER82 "33R" 0603R 772.898,126.749 r90 top (schematic designator R51)
R51_U_LED_BUFFER83 "33R" 0603R 772.898,199.449 r90 top (schematic designator R51)
R51_U_LED_BUFFER84 "33R" 0603R 772.898,272.149 r90 top (schematic designator R51)
R51_U_LED_BUFFER91 "33R" 0603R 763.198,61.35 r90 top (schematic designator R51)
R51_U_LED_BUFFER92 "33R" 0603R 772.898,134.049 r90 top (schematic designator R51)
R51_U_LED_BUFFER93 "33R" 0603R 772.898,206.749 r90 top (schematic designator R51)
R51_U_LED_BUFFER94 "33R" 0603R 772.898,279.449 r90 top (schematic designator R51)
R51_U_LED_BUFFER101 "33R" 0603R 787.398,68.65 r90 top (schematic designator R51)
R51_U_LED_BUFFER102 "33R" 0603R 796.998,141.349 r90 top (schematic designator R51)
R51_U_LED_BUFFER103 "33R" 0603R 796.998,214.049 r90 top (schematic designator R51)
R51_U_LED_BUFFER104 "33R" 0603R 796.998,286.749 r90 top (schematic designator R51)
R52_U_LED_BUFFER11 "33R" 0603R 730.498,3.15 r90 top (schematic designator R52)
R52_U_LED_BUFFER12 "33R" 0603R 739.598,75.85 r90 top (schematic designator R52)
R52_U_LED_BUFFER13 "33R" 0603R 739.598,148.549 r90 top (schematic designator R52)
R52_U_LED_BUFFER14 "33R" 0603R 739.598,221.249 r90 top (schematic designator R52)
R52_U_LED_BUFFER21 "33R" 0603R 735.098,10.45 r90 top (schematic designator R52)
R52_U_LED_BUFFER22 "33R" 0603R 744.198,83.15 r90 top (schematic designator R52)
R52_U_LED_BUFFER23 "33R" 0603R 744.198,155.849 r90 top (schematic designator R52)
R52_U_LED_BUFFER24 "33R" 0603R 744.198,228.549 r90 top (schematic designator R52)
R52_U_LED_BUFFER31 "33R" 0603R 735.098,17.75 r90 top (schematic designator R52)
R52_U_LED_BUFFER32 "33R" 0603R 744.198,90.45 r90 top (schematic designator R52)
R52_U_LED_BUFFER33 "33R" 0603R 744.198,163.149 r90 top (schematic designator R52)
R52_U_LED_BUFFER34 "33R" 0603R 744.198,235.849 r90 top (schematic designator R52)
R52_U_LED_BUFFER41 "33R" 0603R 735.098,25.05 r90 top (schematic designator R52)
R52_U_LED_BUFFER42 "33R" 0603R 744.198,97.75 r90 top (schematic designator R52)
R52_U_LED_BUFFER43 "33R" 0603R 744.198,170.449 r90 top (schematic designator R52)
R52_U_LED_BUFFER44 "33R" 0603R 744.198,243.149 r90 top (schematic designator R52)
R52_U_LED_BUFFER51 "33R" 0603R 735.098,32.25 r90 top (schematic designator R52)
R52_U_LED_BUFFER52 "33R" 0603R 744.198,104.95 r90 top (schematic designator R52)
R52_U_LED_BUFFER53 "33R" 0603R 744.198,177.649 r90 top (schematic designator R52)
R52_U_LED_BUFFER54 "33R" 0603R 744.198,250.349 r90 top (schematic designator R52)
R52_U_LED_BUFFER61 "33R" 0603R 735.098,39.55 r90 top (schematic designator R52)
R52_U_LED_BUFFER62 "33R" 0603R 744.198,112.25 r90 top (schematic designator R52)
R52_U_LED_BUFFER63 "33R" 0603R 744.198,184.949 r90 top (schematic designator R52)
R52_U_LED_BUFFER64 "33R" 0603R 744.198,257.649 r90 top (schematic designator R52)
R52_U_LED_BUFFER71 "33R" 0603R 735.098,46.85 r90 top (schematic designator R52)
R52_U_LED_BUFFER72 "33R" 0603R 744.198,119.549 r90 top (schematic designator R52)
R52_U_LED_BUFFER73 "33R" 0603R 744.198,192.249 r90 top (schematic designator R52)
R52_U_LED_BUFFER74 "33R" 0603R 744.198,264.949 r90 top (schematic designator R52)
R52_U_LED_BUFFER81 "33R" 0603R 735.098,54.05 r90 top (schematic designator R52)
R52_U_LED_BUFFER82 "33R" 0603R 744.198,126.749 r90 top (schematic designator R52)
R52_U_LED_BUFFER83 "33R" 0603R 744.198,199.449 r90 top (schematic designator R52)
R52_U_LED_BUFFER84 "33R" 0603R 744.198,272.149 r90 top (schematic designator R52)
R52_U_LED_BUFFER91 "33R" 0603R 735.098,61.35 r90 top (schematic designator R52)
R52_U_LED_BUFFER92 "33R" 0603R 744.198,134.049 r90 top (schematic designator R52)
R52_U_LED_BUFFER93 "33R" 0603R 744.198,206.749 r90 top (schematic designator R52)
R52_U_LED_BUFFER94 "33R" 0603R 744.198,279.449 r90 top (schematic designator R52)
R52_U_LED_BUFFER101 "33R" 0603R 757.898,68.65 r90 top (schematic designator R52)
R52_U_LED_BUFFER102 "33R" 0603R 766.998,141.349 r90 top (schematic designator R52)
R52_U_LED_BUFFER103 "33R" 0603R 766.998,214.049 r90 top (schematic designator R52)
R52_U_LED_BUFFER104 "33R" 0603R 766.998,286.749 r90 top (schematic designator R52)
R53_U_LED_BUFFER11 "33R" 0603R 702.498,3.15 r90 top (schematic designator R53)
R53_U_LED_BUFFER12 "33R" 0603R 711.198,75.85 r90 top (schematic designator R53)
R53_U_LED_BUFFER13 "33R" 0603R 711.198,148.549 r90 top (schematic designator R53)
R53_U_LED_BUFFER14 "33R" 0603R 711.198,221.249 r90 top (schematic designator R53)
R53_U_LED_BUFFER21 "33R" 0603R 706.898,10.45 r90 top (schematic designator R53)
R53_U_LED_BUFFER22 "33R" 0603R 715.498,83.15 r90 top (schematic designator R53)
R53_U_LED_BUFFER23 "33R" 0603R 715.498,155.849 r90 top (schematic designator R53)
R53_U_LED_BUFFER24 "33R" 0603R 715.498,228.549 r90 top (schematic designator R53)
R53_U_LED_BUFFER31 "33R" 0603R 706.898,17.75 r90 top (schematic designator R53)
R53_U_LED_BUFFER32 "33R" 0603R 715.498,90.45 r90 top (schematic designator R53)
R53_U_LED_BUFFER33 "33R" 0603R 715.498,163.149 r90 top (schematic designator R53)
R53_U_LED_BUFFER34 "33R" 0603R 715.498,235.849 r90 top (schematic designator R53)
R53_U_LED_BUFFER41 "33R" 0603R 706.898,25.05 r90 top (schematic designator R53)
R53_U_LED_BUFFER42 "33R" 0603R 715.498,97.75 r90 top (schematic designator R53)
R53_U_LED_BUFFER43 "33R" 0603R 715.498,170.449 r90 top (schematic designator R53)
R53_U_LED_BUFFER44 "33R" 0603R 715.498,243.149 r90 top (schematic designator R53)
R53_U_LED_BUFFER51 "33R" 0603R 706.898,32.25 r90 top (schematic designator R53)
R53_U_LED_BUFFER52 "33R" 0603R 715.498,104.95 r90 top (schematic designator R53)
R53_U_LED_BUFFER53 "33R" 0603R 715.498,177.649 r90 top (schematic designator R53)
R53_U_LED_BUFFER54 "33R" 0603R 715.498,250.349 r90 top (schematic designator R53)
R53_U_LED_BUFFER61 "33R" 0603R 706.898,39.55 r90 top (schematic designator R53)
R53_U_LED_BUFFER62 "33R" 0603R 715.498,112.25 r90 top (schematic designator R53)
R53_U_LED_BUFFER63 "33R" 0603R 715.498,184.949 r90 top (schematic designator R53)
R53_U_LED_BUFFER64 "33R" 0603R 715.498,257.649 r90 top (schematic designator R53)
R53_U_LED_BUFFER71 "33R" 0603R 706.898,46.85 r90 top (schematic designator R53)
R53_U_LED_BUFFER72 "33R" 0603R 715.498,119.549 r90 top (schematic designator R53)
R53_U_LED_BUFFER73 "33R" 0603R 715.498,192.249 r90 top (schematic designator R53)
R53_U_LED_BUFFER74 "33R" 0603R 715.498,264.949 r90 top (schematic designator R53)
R53_U_LED_BUFFER81 "33R" 0603R 706.898,54.05 r90 top (schematic designator R53)
R53_U_LED_BUFFER82 "33R" 0603R 715.498,126.749 r90 top (schematic designator R53)
R53_U_LED_BUFFER83 "33R" 0603R 715.498,199.449 r90 top (schematic designator R53)
R53_U_LED_BUFFER84 "33R" 0603R 715.498,272.149 r90 top (schematic designator R53)
R53_U_LED_BUFFER91 "33R" 0603R 706.898,61.35 r90 top (schematic designator R53)
R53_U_LED_BUFFER92 "33R" 0603R 715.498,134.049 r90 top (schematic designator R53)
R53_U_LED_BUFFER93 "33R" 0603R 715.498,206.749 r90 top (schematic designator R53)
R53_U_LED_BUFFER94 "33R" 0603R 715.498,279.449 r90 top (schematic designator R53)
R53_U_LED_BUFFER101 "33R" 0603R 728.398,68.65 r90 top (schematic designator R53)
R53_U_LED_BUFFER102 "33R" 0603R 737.098,141.349 r90 top (schematic designator R53)
R53_U_LED_BUFFER103 "33R" 0603R 737.098,214.049 r90 top (schematic designator R53)
R53_U_LED_BUFFER104 "33R" 0603R 737.098,286.749 r90 top (schematic designator R53)
R54_U_LED_BUFFER11 "33R" 0603R 674.598,3.15 r90 top (schematic designator R54)
R54_U_LED_BUFFER12 "33R" 0603R 682.698,75.85 r90 top (schematic designator R54)
R54_U_LED_BUFFER13 "33R" 0603R 682.698,148.549 r90 top (schematic designator R54)
R54_U_LED_BUFFER14 "33R" 0603R 682.698,221.249 r90 top (schematic designator R54)